# KiCad board AsicsBoard - 16xBM1366 - 01A.kicad_pcb (continued)
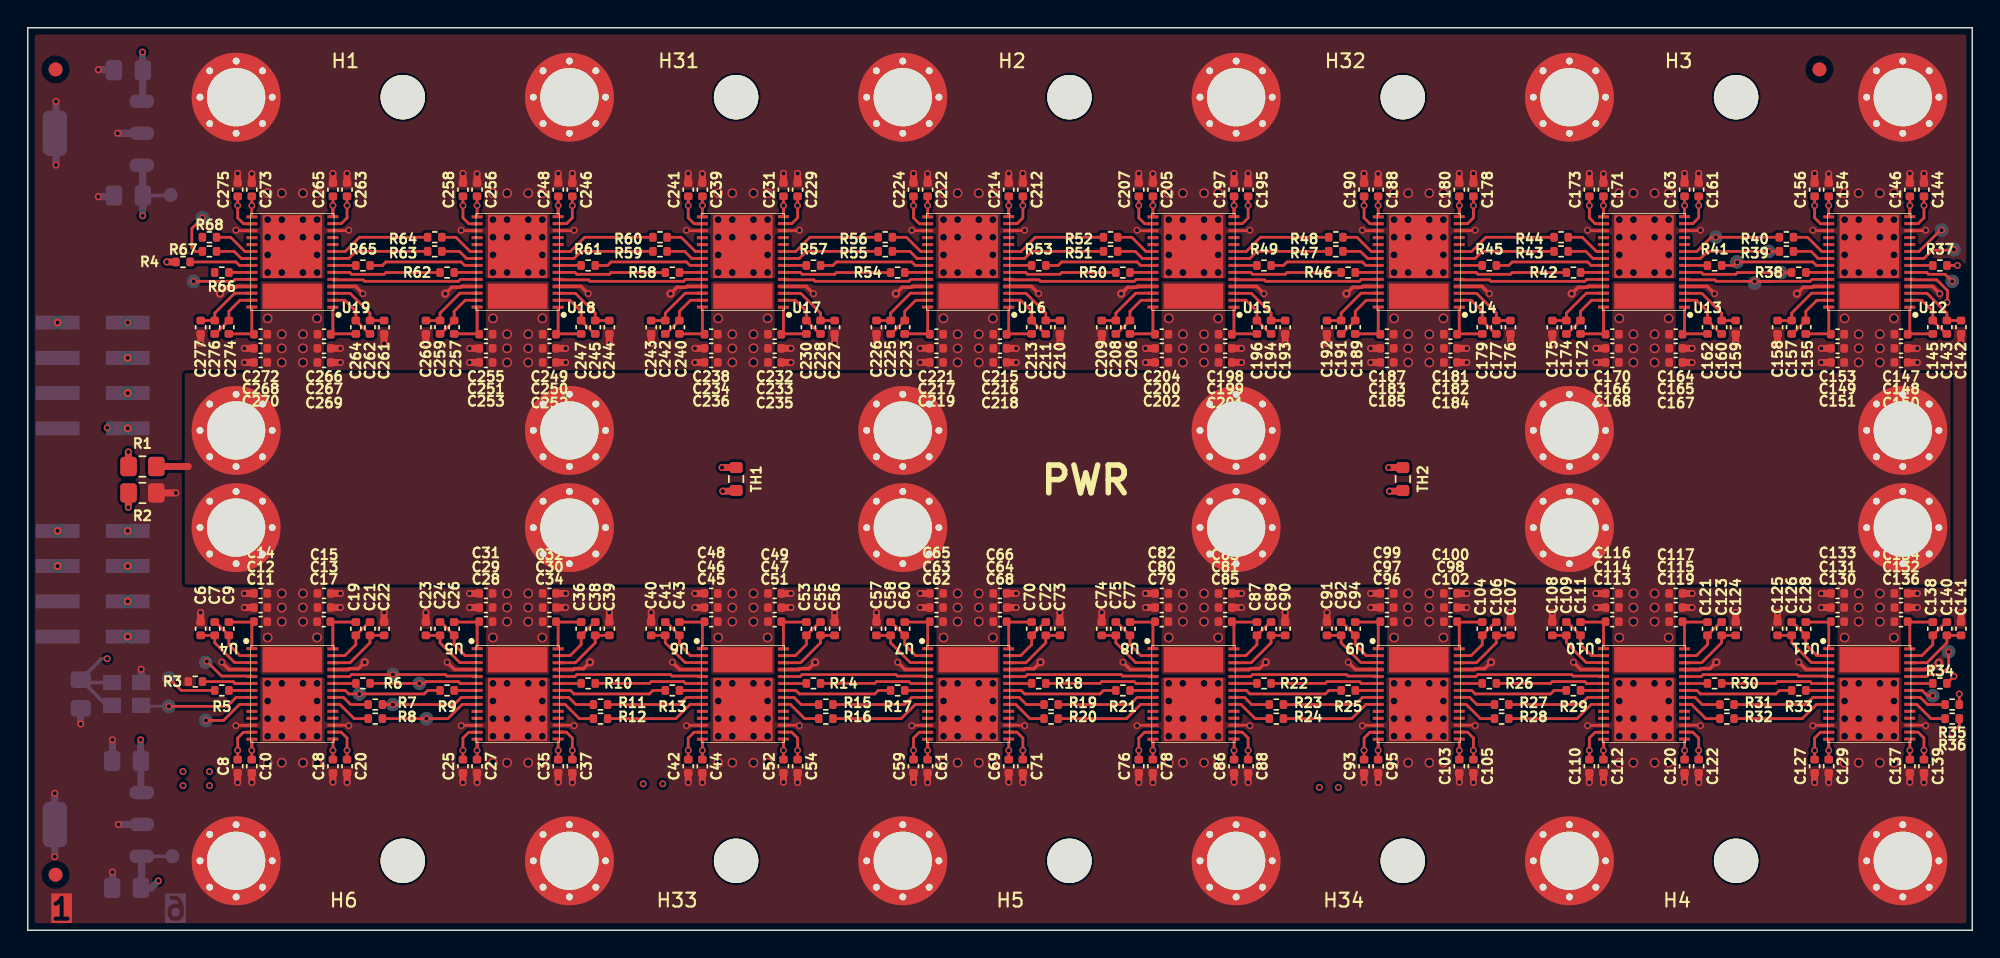
[diagram p0: board, top side]
## Routing (per net, layer and track width the routed paths; a pad name or vN(x,y) marks a point on that pad's centre or on a via; arc(x,y) is an arc through that point) (continued)
+1.2V: length 412.6
  Top w0.2: 135.51,13.76 v1(135.51,12.95) C137.1 ; 97.23,51.39 v1(97.23,52.2) C188.1 ; U18.14 38.19,52.19 v1(38.19,52.2) C248.1 ; 54.41,13.76 v1(54.41,12.95) C52.1 ; C222.1 v1(64.79,52.2) 64.79,51.39 ; 38.19,51.94 38.19,51.4 ; 21.97,51.94 21.97,51.4 ; C129.1 v1(129.67,12.95) 129.67,12.96 U11.14 ; 86.85,51.94 86.85,51.4 ; C120.1 v1(119.29,12.95) 119.29,13.76 ; 48.57,51.39 v1(48.57,52.2) C239.1 ; C44.1 v1(48.57,12.95) 48.57,12.96 U6.14 ; C86.1 v1(86.85,12.95) 86.85,13.76 ; C95.1 v1(97.23,12.95) 97.23,12.96 U9.14 ; U16.14 70.63,52.19 v1(70.63,52.2) C214.1 ; U5.14 32.35,12.96 v1(32.35,12.95) C27.1 ; 16.13,51.39 v1(16.13,52.2) C273.1 ; 103.07,51.94 103.07,51.4 ; 81.01,13.21 81.01,13.75 ; 32.35,51.39 v1(32.35,52.2) C256.1 ; C112.1 v1(113.45,12.95) 113.45,12.96 U10.14 ; 21.97,13.76 v1(21.97,12.95) C18.1 ; C35.1 v1(38.19,12.95) 38.19,13.76 ; U7.14 64.79,12.96 v1(64.79,12.95) C61.1 ; 64.79,13.21 64.79,13.75 ; 97.23,13.21 97.23,13.75 ; 16.13,12.29 v1(16.13,12.95) 16.13,12.96 U4.14 ; 119.29,51.94 119.29,51.4 ; 135.51,51.94 135.51,51.4 ; C146.1 v1(135.51,52.2) 135.5,52.19 U12.14 ; 48.57,13.21 48.57,13.75 ; 129.67,51.39 v1(129.67,52.2) C154.1 ; C197.1 v1(86.85,52.2) 86.84,52.19 U15.14 ; 70.63,51.94 70.63,51.4 ; C163.1 v1(119.29,52.2) 119.28,52.19 U13.14 ; 103.07,13.76 v1(103.07,12.95) C103.1 ; 113.45,13.21 113.45,13.75 ; C231.1 v1(54.41,52.2) 54.41,52.19 U17.14 ; C205.1 v1(81.01,52.2) 81.01,51.39 ; 16.13,13.21 16.13,13.75 ; 129.67,13.21 129.67,13.75 ; U14.14 103.06,52.19 v1(103.07,52.2) C180.1 ; 70.63,13.76 v1(70.63,12.95) C69.1 ; U8.14 81.01,12.96 v1(81.01,12.95) C78.1 ; C171.1 v1(113.45,52.2) 113.45,51.39 ; 54.41,51.94 54.41,51.4 ; C265.1 v1(21.97,52.2) 21.97,52.19 U19.14 ; 32.35,13.21 32.35,13.75
  Top w0.5: 10.67,48.13 v1(10,48.13)
  In1.Cu w0.25: v1(135.51,52.2) 135.51,49.82 136.58,48.75 136.58,43.25 138.87,40.96 138.87,24.7 137.09,22.92 137.09,20.51 136.07,19.49 136.07,15.6 135.51,15.04 v1(135.51,12.95)
  In1.Cu w0.5: v1(5.72,36.19) 5.76,36.15 v2(7.19,36.15)
  In2.Cu w0.25: v1(135.51,52.2) 135.22,51.9 129.96,51.9 v1(129.67,52.2) 129.09,51.62 119.86,51.62 v1(119.29,52.2) 119,51.9 113.74,51.9 v1(113.45,52.2) 112.87,51.62 103.64,51.62 v1(103.07,52.2) 102.73,51.86 97.57,51.86 v1(97.23,52.2) 96.47,51.44 87.61,51.44 v1(86.85,52.2) 86.56,51.9 81.3,51.9 v1(81.01,52.2) 80.43,51.62 71.21,51.62 v1(70.63,52.2) 70.34,51.9 65.08,51.9 v1(64.79,52.2) 64.21,51.62 54.99,51.62 v1(54.41,52.2) 54.12,51.9 48.86,51.9 v1(48.57,52.2) 47.99,51.62 38.77,51.62 v1(38.19,52.2) 37.92,51.93 32.62,51.93 v1(32.35,52.2) 31.77,51.62 22.55,51.62 v1(21.97,52.2) 21.68,51.9 16.42,51.9 v1(16.13,52.2) ; v1(16.13,12.95) 16.36,13.19 21.73,13.19 v1(21.97,12.95) 22.55,13.53 31.77,13.53 v1(32.35,12.95) 32.58,13.19 37.95,13.19 v1(38.19,12.95) 38.77,13.53 47.99,13.53 v1(48.57,12.95) 48.91,13.3 54.07,13.3 v1(54.41,12.95) 54.99,13.53 64.21,13.53 v1(64.79,12.95) 65.02,13.19 70.39,13.19 v1(70.63,12.95) 71.27,13.59 80.37,13.59 v1(81.01,12.95) 81.25,13.19 86.61,13.19 v1(86.85,12.95) 87.42,13.53 96.65,13.53 v1(97.23,12.95) 97.46,13.19 102.83,13.19 v1(103.07,12.95) 103.64,13.53 112.87,13.53 v1(113.45,12.95) 113.68,13.19 119.05,13.19 v1(119.29,12.95) 119.86,13.53 129.09,13.53 v1(129.67,12.95) 129.9,13.19 135.27,13.19 v1(135.51,12.95)
  In2.Cu w0.5: v1(10,48.13) 10,49.73 v1(8.28,51.46) 5.72,48.89 v1(5.72,36.19) 5.72,18.54 10.6,13.65 15.43,13.65 v1(16.13,12.95)
  Bottom w0.25: 5.67,16.19 C5.1 5.31,19.56 v1(5.72,19.56) ; C4.1 10.24,52.92 ; U3.1 4.02,17.84
  Bottom w0.5: v1(8.28,51.46) C4.1 8.28,55.03
+5V_STDBY: length 61.7
  In2.Cu w0.5: v1(8.25,63.25) 4.57,59.56 4.57,55.73 2.14,53.3 v2(2.14,43.77) 4.06,41.85 4.06,17.78 v1(8.13,13.72)
  Bottom w0.5: v1(8.13,13.72) 8.13,12.21 ; C1.1 8.15,9.98 ; v1(8.25,63.25) 8.25,61.95 ; C2.1 8.28,59.78
/ASICs/ASICs_BM1366_1/BM1366-0/VDD1_0: length 3.6
  Top w0.2: U4.1 16.13,22.08 ; C9.2 16.26,22.2
/ASICs/ASICs_BM1366_1/BM1366-0/VDD1_1: length 3.6
  Top w0.2: C19.1 21.84,22.2 ; U4.28 21.97,22.08
/ASICs/ASICs_BM1366_1/BM1366-0/VDD2_0: length 4
  Top w0.2: 13.52,22.2 C9.1 14.48,20.57 15.27,19.78 U4.2
/ASICs/ASICs_BM1366_1/BM1366-0/VDD2_1: length 4
  Top w0.2: 24.58,22.2 C19.2 23.62,20.57 22.83,19.78 U4.27
/ASICs/ASICs_BM1366_1/BM1366-0/VDD3_0: length 4.8
  Top w0.2: U4.3 14.89,19.28 13.46,20.7 C7.1 C6.2
/ASICs/ASICs_BM1366_1/BM1366-0/VDD3_1: length 4.8
  Top w0.2: U4.26 23.2,19.27 24.64,20.7 C21.2 C22.1
/ASICs/ASICs_BM1366_1/BM1366-1/VDD1_0: length 3.6
  Top w0.2: C26.2 32.48,22.2 ; U5.1 32.35,22.08
/ASICs/ASICs_BM1366_1/BM1366-1/VDD1_1: length 3.6
  Top w0.2: C36.1 38.06,22.2 ; U5.28 38.19,22.08
/ASICs/ASICs_BM1366_1/BM1366-1/VDD2_0: length 4
  Top w0.2: 29.74,22.2 C26.1 30.7,20.57 31.49,19.78 U5.2
/ASICs/ASICs_BM1366_1/BM1366-1/VDD2_1: length 4
  Top w0.2: 40.8,22.2 C36.2 39.84,20.57 39.05,19.78 U5.27
/ASICs/ASICs_BM1366_1/BM1366-1/VDD3_0: length 4.8
  Top w0.2: U5.3 31.11,19.28 29.68,20.7 C24.1 C23.2
/ASICs/ASICs_BM1366_1/BM1366-1/VDD3_1: length 4.8
  Top w0.2: U5.26 39.42,19.27 40.86,20.7 C38.2 C39.1
/ASICs/ASICs_BM1366_1/BM1366-2/VDD1_0: length 3.6
  Top w0.2: C43.2 48.7,22.2 ; U6.1 48.57,22.08
/ASICs/ASICs_BM1366_1/BM1366-2/VDD1_1: length 3.6
  Top w0.2: U6.28 54.41,22.08 ; C53.1 54.28,22.2
/ASICs/ASICs_BM1366_1/BM1366-2/VDD2_0: length 4
  Top w0.2: 45.96,22.2 C43.1 46.92,20.57 47.71,19.78 U6.2
/ASICs/ASICs_BM1366_1/BM1366-2/VDD2_1: length 4
  Top w0.2: 57.02,22.2 C53.2 56.06,20.57 55.27,19.78 U6.27
/ASICs/ASICs_BM1366_1/BM1366-2/VDD3_0: length 4.8
  Top w0.2: U6.3 47.33,19.28 45.9,20.7 C41.1 C40.2
/ASICs/ASICs_BM1366_1/BM1366-2/VDD3_1: length 4.8
  Top w0.2: U6.26 55.64,19.27 57.08,20.7 C55.2 C56.1
/ASICs/ASICs_BM1366_1/BM1366-3/VDD1_0: length 3.6
  Top w0.2: C60.2 64.92,22.2 ; U7.1 64.79,22.08
/ASICs/ASICs_BM1366_1/BM1366-3/VDD1_1: length 3.6
  Top w0.2: U7.28 70.63,22.08 ; C70.1 70.5,22.2
/ASICs/ASICs_BM1366_1/BM1366-3/VDD2_0: length 4
  Top w0.2: U7.2 63.93,19.78 63.14,20.57 C60.1 62.18,22.2
/ASICs/ASICs_BM1366_1/BM1366-3/VDD2_1: length 4
  Top w0.2: 73.24,22.2 C70.2 72.28,20.57 71.49,19.78 U7.27
/ASICs/ASICs_BM1366_1/BM1366-3/VDD3_0: length 4.8
  Top w0.2: U7.3 63.55,19.28 62.12,20.7 C58.1 C57.2
/ASICs/ASICs_BM1366_1/BM1366-3/VDD3_1: length 4.8
  Top w0.2: U7.26 71.86,19.27 73.3,20.7 C72.2 C73.1
/ASICs/ASICs_BM1366_1/BM1366-4/VDD1_0: length 3.6
  Top w0.2: U8.1 81.01,22.08 ; C77.2 81.13,22.2
/ASICs/ASICs_BM1366_1/BM1366-4/VDD1_1: length 3.6
  Top w0.2: U8.28 86.84,22.08 ; C87.1 86.72,22.2
/ASICs/ASICs_BM1366_1/BM1366-4/VDD2_0: length 4
  Top w0.2: U8.2 80.15,19.78 79.36,20.57 C77.1 78.4,22.2
/ASICs/ASICs_BM1366_1/BM1366-4/VDD2_1: length 4
  Top w0.2: U8.27 87.71,19.78 88.5,20.57 C87.2 89.46,22.2
/ASICs/ASICs_BM1366_1/BM1366-4/VDD3_0: length 4.8
  Top w0.2: U8.3 79.76,19.28 78.34,20.7 C75.1 C74.2
/ASICs/ASICs_BM1366_1/BM1366-4/VDD3_1: length 4.8
  Top w0.2: C90.1 C89.2 89.52,20.7 88.08,19.27 U8.26
/ASICs/ASICs_BM1366_1/BM1366-5/VDD1_0: length 3.6
  Top w0.2: C94.2 97.35,22.2 ; U9.1 97.23,22.08
/ASICs/ASICs_BM1366_1/BM1366-5/VDD1_1: length 3.6
  Top w0.2: U9.28 103.06,22.08 ; C104.1 102.94,22.2
/ASICs/ASICs_BM1366_1/BM1366-5/VDD2_0: length 4
  Top w0.2: U9.2 96.37,19.78 95.58,20.57 C94.1 94.62,22.2
/ASICs/ASICs_BM1366_1/BM1366-5/VDD2_1: length 4
  Top w0.2: U9.27 103.93,19.78 104.72,20.57 C104.2 105.68,22.2
/ASICs/ASICs_BM1366_1/BM1366-5/VDD3_0: length 4.8
  Top w0.2: U9.3 95.98,19.28 94.56,20.7 C92.1 C91.2
/ASICs/ASICs_BM1366_1/BM1366-5/VDD3_1: length 4.8
  Top w0.2: U9.26 104.3,19.27 105.74,20.7 C106.2 C107.1
/ASICs/ASICs_BM1366_1/BM1366-6/VDD1_0: length 3.6
  Top w0.2: C111.2 113.57,22.2 ; U10.1 113.45,22.08
/ASICs/ASICs_BM1366_1/BM1366-6/VDD1_1: length 3.6
  Top w0.2: C121.1 119.16,22.2 ; U10.28 119.28,22.08
/ASICs/ASICs_BM1366_1/BM1366-6/VDD2_0: length 4
  Top w0.2: U10.2 112.59,19.78 111.8,20.57 C111.1 110.84,22.2
/ASICs/ASICs_BM1366_1/BM1366-6/VDD2_1: length 4
  Top w0.2: U10.27 120.15,19.78 120.94,20.57 C121.2 121.9,22.2
/ASICs/ASICs_BM1366_1/BM1366-6/VDD3_0: length 4.8
  Top w0.2: C108.2 C109.1 110.78,20.7 112.2,19.28 U10.3
/ASICs/ASICs_BM1366_1/BM1366-6/VDD3_1: length 4.8
  Top w0.2: C124.1 C123.2 121.96,20.7 120.52,19.27 U10.26
/ASICs/ASICs_BM1366_1/BM1366-7/VDD1_0: length 3.6
  Top w0.2: U11.1 129.67,22.08 ; C128.2 129.79,22.2
/ASICs/ASICs_BM1366_1/BM1366-7/VDD1_1: length 3.6
  Top w0.2: U11.28 135.5,22.08 ; C138.1 135.38,22.2
/ASICs/ASICs_BM1366_1/BM1366-7/VDD2_0: length 4
  Top w0.2: 127.06,22.2 C128.1 128.02,20.57 128.81,19.78 U11.2
/ASICs/ASICs_BM1366_1/BM1366-7/VDD2_1: length 4
  Top w0.2: 138.12,22.2 C138.2 137.16,20.57 136.37,19.78 U11.27
/ASICs/ASICs_BM1366_1/BM1366-7/VDD3_0: length 4.8
  Top w0.2: U11.3 128.42,19.28 127,20.7 C126.1 C125.2
/ASICs/ASICs_BM1366_1/BM1366-7/VDD3_1: length 4.8
  Top w0.2: U11.26 136.74,19.27 138.18,20.7 C140.2 C141.1
/ASICs/ASICs_BM1366_2/BM1366-0/VDD1_0: length 3.6
  Top w0.2: C145.2 135.38,42.95 ; U12.1 135.5,43.08
/ASICs/ASICs_BM1366_2/BM1366-0/VDD1_1: length 3.6
  Top w0.2: C155.1 129.79,42.95 ; U12.28 129.67,43.08
/ASICs/ASICs_BM1366_2/BM1366-0/VDD2_0: length 4
  Top w0.2: 138.12,42.95 C145.1 137.16,44.58 136.37,45.37 U12.2
/ASICs/ASICs_BM1366_2/BM1366-0/VDD2_1: length 4
  Top w0.2: 127.06,42.95 C155.2 128.02,44.58 128.81,45.37 U12.27
/ASICs/ASICs_BM1366_2/BM1366-0/VDD3_0: length 4.8
  Top w0.2: U12.3 136.75,45.87 138.18,44.45 C143.1 C142.2
/ASICs/ASICs_BM1366_2/BM1366-0/VDD3_1: length 4.8
  Top w0.2: U12.26 128.43,45.88 127,44.45 C157.2 C158.1
/ASICs/ASICs_BM1366_2/BM1366-1/VDD1_0: length 3.6
  Top w0.2: U13.1 119.28,43.08 ; C162.2 119.16,42.95
/ASICs/ASICs_BM1366_2/BM1366-1/VDD1_1: length 3.6
  Top w0.2: U13.28 113.45,43.08 ; C172.1 113.57,42.95
/ASICs/ASICs_BM1366_2/BM1366-1/VDD2_0: length 4
  Top w0.2: 121.9,42.95 C162.1 120.94,44.58 120.15,45.37 U13.2
/ASICs/ASICs_BM1366_2/BM1366-1/VDD2_1: length 4
  Top w0.2: U13.27 112.59,45.37 111.8,44.58 C172.2 110.84,42.95
/ASICs/ASICs_BM1366_2/BM1366-1/VDD3_0: length 4.8
  Top w0.2: U13.3 120.53,45.87 121.96,44.45 C160.1 C159.2
/ASICs/ASICs_BM1366_2/BM1366-1/VDD3_1: length 4.8
  Top w0.2: C175.1 C174.2 110.78,44.45 112.21,45.88 U13.26
/ASICs/ASICs_BM1366_2/BM1366-2/VDD1_0: length 3.6
  Top w0.2: U14.1 103.06,43.08 ; C179.2 102.94,42.95
/ASICs/ASICs_BM1366_2/BM1366-2/VDD1_1: length 3.6
  Top w0.2: U14.28 97.23,43.08 ; C189.1 97.35,42.95
/ASICs/ASICs_BM1366_2/BM1366-2/VDD2_0: length 4
  Top w0.2: U14.2 103.93,45.37 104.72,44.58 C179.1 105.68,42.95
/ASICs/ASICs_BM1366_2/BM1366-2/VDD2_1: length 4
  Top w0.2: U14.27 96.37,45.37 95.58,44.58 C189.2 94.62,42.95
/ASICs/ASICs_BM1366_2/BM1366-2/VDD3_0: length 4.8
  Top w0.2: U14.3 104.31,45.87 105.74,44.45 C177.1 C176.2
/ASICs/ASICs_BM1366_2/BM1366-2/VDD3_1: length 4.8
  Top w0.2: U14.26 95.99,45.88 94.56,44.45 C191.2 C192.1
/ASICs/ASICs_BM1366_2/BM1366-3/VDD1_0: length 3.6
  Top w0.2: C196.2 86.72,42.95 ; U15.1 86.84,43.08
/ASICs/ASICs_BM1366_2/BM1366-3/VDD1_1: length 3.6
  Top w0.2: C206.1 81.13,42.95 ; U15.28 81.01,43.08
/ASICs/ASICs_BM1366_2/BM1366-3/VDD2_0: length 4
  Top w0.2: 89.46,42.95 C196.1 88.5,44.58 87.71,45.37 U15.2
/ASICs/ASICs_BM1366_2/BM1366-3/VDD2_1: length 4
  Top w0.2: U15.27 80.15,45.37 79.36,44.58 C206.2 78.4,42.95
/ASICs/ASICs_BM1366_2/BM1366-3/VDD3_0: length 4.8
  Top w0.2: C193.2 C194.1 89.52,44.45 88.09,45.87 U15.3
/ASICs/ASICs_BM1366_2/BM1366-3/VDD3_1: length 4.8
  Top w0.2: U15.26 79.77,45.88 78.34,44.45 C208.2 C209.1
/ASICs/ASICs_BM1366_2/BM1366-4/VDD1_0: length 3.6
  Top w0.2: C213.2 70.5,42.95 ; U16.1 70.63,43.08
/ASICs/ASICs_BM1366_2/BM1366-4/VDD1_1: length 3.6
  Top w0.2: C223.1 64.92,42.95 ; U16.28 64.79,43.08
/ASICs/ASICs_BM1366_2/BM1366-4/VDD2_0: length 4
  Top w0.2: 73.24,42.95 C213.1 72.28,44.58 71.49,45.37 U16.2
/ASICs/ASICs_BM1366_2/BM1366-4/VDD2_1: length 4
  Top w0.2: U16.27 63.93,45.37 63.14,44.58 C223.2 62.18,42.95
/ASICs/ASICs_BM1366_2/BM1366-4/VDD3_0: length 4.8
  Top w0.2: C210.2 C211.1 73.3,44.45 71.87,45.87 U16.3
/ASICs/ASICs_BM1366_2/BM1366-4/VDD3_1: length 4.8
  Top w0.2: U16.26 63.55,45.88 62.12,44.45 C225.2 C226.1
/ASICs/ASICs_BM1366_2/BM1366-5/VDD1_0: length 3.6
  Top w0.2: C230.2 54.28,42.95 ; U17.1 54.41,43.08
/ASICs/ASICs_BM1366_2/BM1366-5/VDD1_1: length 3.6
  Top w0.2: U17.28 48.57,43.08 ; C240.1 48.7,42.95
/ASICs/ASICs_BM1366_2/BM1366-5/VDD2_0: length 4
  Top w0.2: U17.2 55.27,45.37 56.06,44.58 C230.1 57.02,42.95
/ASICs/ASICs_BM1366_2/BM1366-5/VDD2_1: length 4
  Top w0.2: U17.27 47.71,45.37 46.92,44.58 C240.2 45.96,42.95
/ASICs/ASICs_BM1366_2/BM1366-5/VDD3_0: length 4.8
  Top w0.2: C227.2 C228.1 57.08,44.45 55.65,45.87 U17.3
/ASICs/ASICs_BM1366_2/BM1366-5/VDD3_1: length 4.8
  Top w0.2: C243.1 C242.2 45.9,44.45 47.33,45.88 U17.26
/ASICs/ASICs_BM1366_2/BM1366-6/VDD1_0: length 3.6
  Top w0.2: C247.2 38.06,42.95 ; U18.1 38.19,43.08
/ASICs/ASICs_BM1366_2/BM1366-6/VDD1_1: length 3.6
  Top w0.2: U18.28 32.35,43.08 ; C257.1 32.48,42.95
/ASICs/ASICs_BM1366_2/BM1366-6/VDD2_0: length 4
  Top w0.2: U18.2 39.05,45.37 39.84,44.58 C247.1 40.8,42.95
/ASICs/ASICs_BM1366_2/BM1366-6/VDD2_1: length 4
  Top w0.2: U18.27 31.49,45.37 30.7,44.58 C257.2 29.74,42.95
/ASICs/ASICs_BM1366_2/BM1366-6/VDD3_0: length 4.8
  Top w0.2: U18.3 39.43,45.87 40.86,44.45 C245.1 C244.2
/ASICs/ASICs_BM1366_2/BM1366-6/VDD3_1: length 4.8
  Top w0.2: C260.1 C259.2 29.68,44.45 31.11,45.88 U18.26
/ASICs/ASICs_BM1366_2/BM1366-7/VDD1_0: length 3.6
  Top w0.2: C264.2 21.84,42.95 ; U19.1 21.97,43.08
/ASICs/ASICs_BM1366_2/BM1366-7/VDD1_1: length 3.6
  Top w0.2: U19.28 16.13,43.08 ; C274.1 16.26,42.95
/ASICs/ASICs_BM1366_2/BM1366-7/VDD2_0: length 4
  Top w0.2: U19.2 22.83,45.37 23.62,44.58 C264.1 24.58,42.95
/ASICs/ASICs_BM1366_2/BM1366-7/VDD2_1: length 4
  Top w0.2: U19.27 15.27,45.37 14.48,44.58 C274.2 13.52,42.95
/ASICs/ASICs_BM1366_2/BM1366-7/VDD3_0: length 4.8
  Top w0.2: U19.3 23.21,45.87 24.64,44.45 C262.1 C261.2
/ASICs/ASICs_BM1366_2/BM1366-7/VDD3_1: length 4.8
  Top w0.2: U19.26 14.89,45.88 13.46,44.45 C276.2 C277.1
GND: length 241.7
  Top w0.2: U16.12 71.75,50.39 v1(71.77,50.42) ; U14.12 104.19,50.39 v1(104.21,50.42) ; v1(63.65,14.73) 63.67,14.76 U7.12 ; U11.12 128.55,14.76 v1(128.52,14.73) ; v1(136.65,50.42) 136.62,50.39 U12.12 ; v1(87.99,14.73) 87.96,14.77 U8.17 ; U8.12 79.89,14.76 v1(79.86,14.73) ; v1(96.08,14.73) 96.11,14.76 U9.12 ; U19.17 15.02,50.38 v1(14.99,50.42) ; U15.17 79.9,50.38 v1(79.86,50.42) ; v1(39.33,50.42) 39.31,50.39 U18.12 ; v1(47.43,50.42) 47.46,50.38 U17.17 ; U6.17 55.52,14.77 v1(55.55,14.73) ; U16.17 63.68,50.38 v1(63.65,50.42) ; U4.12 15.01,14.76 v1(14.99,14.73) ; U5.12 31.23,14.76 v1(31.21,14.73) ; U4.17 23.08,14.77 v1(23.11,14.73) ; U13.17 112.34,50.38 v1(112.3,50.42) ; v1(128.52,50.42) 128.56,50.38 U12.17 ; U14.17 96.12,50.38 v1(96.08,50.42) ; U13.12 120.41,50.39 v1(120.43,50.42) ; v1(47.43,14.73) 47.45,14.76 U6.12 ; U7.17 71.74,14.77 v1(71.77,14.73) ; v1(39.33,14.73) 39.3,14.77 U5.17 ; U17.12 55.53,50.39 v1(55.55,50.42) ; U10.17 120.4,14.77 v1(120.43,14.73) ; v1(112.3,14.73) 112.33,14.76 U10.12 ; U9.17 104.18,14.77 v1(104.21,14.73) ; v1(136.65,14.73) 136.62,14.77 U11.17 ; U19.12 23.09,50.39 v1(23.11,50.42) ; U18.17 31.24,50.38 v1(31.21,50.42) ; v1(87.99,50.42) 87.97,50.39 U15.12
  Top w0.25: v2(121.58,19.3) 121.11,18.84 120.46,18.84 120.39,18.78 U10.25 ; v2(30.06,45.85) 30.53,46.31 31.18,46.31 31.24,46.38 U18.25 ; v1(111.29,19.3) 111.82,18.78 U10.4 ; U19.4 23.6,46.38 v1(24.13,45.85) ; U9.25 104.17,18.78 104.24,18.84 104.89,18.84 v2(105.36,19.3) ; U14.4 104.7,46.38 v1(105.23,45.85) ; U5.4 30.72,18.78 v1(30.19,19.3) ; U11.4 128.04,18.78 v1(127.51,19.3) ; v1(56.57,45.85) 56.04,46.38 U17.4 ; v1(89.01,45.85) 88.48,46.38 U15.4 ; U12.4 137.14,46.38 v1(137.67,45.85) ; U18.4 39.82,46.38 v1(40.35,45.85) ; U8.25 87.95,18.78 88.02,18.84 88.67,18.84 v2(89.14,19.3) ; v2(78.72,45.85) 79.19,46.31 79.84,46.31 79.9,46.38 U15.25 ; v2(111.16,45.85) 111.63,46.31 112.28,46.31 112.34,46.38 U13.25 ; U8.4 79.38,18.78 v1(78.85,19.3) ; v2(62.5,45.85) 62.97,46.31 63.62,46.31 63.68,46.38 U16.25 ; v2(46.28,45.85) 46.75,46.31 47.4,46.31 47.46,46.38 U17.25 ; v2(13.84,45.85) 14.31,46.31 14.96,46.31 15.02,46.38 U19.25 ; v1(72.79,45.85) 72.26,46.38 U16.4 ; U13.4 120.92,46.38 v1(121.45,45.85) ; v1(13.97,19.3) 14.5,18.78 U4.4 ; v2(137.58,19.26) 137.16,18.84 136.68,18.84 136.61,18.78 U11.25 ; U4.25 23.08,18.78 23.14,18.84 23.79,18.84 v2(24.26,19.3) ; v2(72.92,19.3) 72.45,18.84 71.8,18.84 71.73,18.78 U7.25 ; U9.4 95.6,18.78 v1(95.07,19.3) ; U6.25 55.51,18.78 55.58,18.84 56.23,18.84 v2(56.7,19.3) ; U12.25 128.56,46.38 128.5,46.31 127.84,46.31 v2(127.38,45.85) ; U5.25 39.29,18.78 39.36,18.84 40.01,18.84 v2(40.48,19.3) ; v2(94.94,45.85) 95.41,46.31 96.06,46.31 96.12,46.38 U14.25 ; U6.4 46.94,18.78 v1(46.41,19.3) ; U7.4 63.16,18.78 v1(62.63,19.3)
  Top w0.5: 125.98,22.22 v1(125.98,22.89) ; 90.53,42.93 v1(90.53,42.26) ; 21.84,41.91 v1(22.51,41.91) ; 79.99,53.85 v1(79.99,54.51) ; 21.84,40.89 v1(22.51,40.89) ; 135.38,40.89 v1(136.04,40.89) ; 44.89,22.22 v1(44.89,22.89) ; 74.31,22.22 v1(74.31,22.89) ; 93.54,22.22 v1(93.54,22.89) ; C239.2 v1(48.57,54.48) ; 64.92,24.26 v1(64.25,24.26) ; 119.16,40.89 v1(119.83,40.89) ; 55.43,11.3 v1(55.43,10.64) ; 74.31,42.93 v1(74.31,42.26) ; 16.26,41.91 v1(15.59,41.91) ; 106.75,42.93 v1(106.75,42.26) ; C86.2 v1(86.85,10.67) ; 129.79,41.91 v1(129.13,41.91) ; 86.72,41.91 v1(87.39,41.91) ; 119.29,53.85 v1(119.29,54.51) ; 38.06,24.26 v1(38.73,24.26) ; 71.65,53.85 v1(71.65,54.51) ; 70.63,53.85 v1(70.63,54.51) ; 39.21,11.3 v1(39.21,10.64) ; 97.35,24.26 v1(96.69,24.26) ; 41.87,22.22 v1(41.87,22.89) ; 109.76,42.93 v1(109.76,42.26) ; 38.06,41.91 v1(38.73,41.91) ; 32.48,23.24 v1(31.81,23.24) ; 119.16,24.26 v1(119.83,24.26) ; 64.92,23.24 v1(64.25,23.24) ; 54.28,24.26 v1(54.95,24.26) ; 113.57,41.91 v1(112.91,41.91) ; 12.45,42.93 v1(12.45,42.26) ; 54.28,41.91 v1(54.95,41.91) ; 48.7,40.89 v1(48.03,40.89) ; 135.51,53.85 v1(135.51,54.51) ; 22.99,53.85 v1(22.99,54.51) ; C69.2 v1(70.63,10.67) ; 16.26,40.89 v1(15.59,40.89) ; R2.1 v1(10.67,31.5) ; 54.28,23.24 v1(54.95,23.24) ; 86.85,53.85 v1(86.85,54.51) ; 15.11,53.85 v1(15.11,54.51) ; C171.2 v1(113.45,54.48) ; 135.38,23.24 v1(136.04,23.24) ; 103.07,53.85 v1(103.07,54.51) ; 70.5,41.91 v1(71.17,41.91) ; 70.5,23.24 v1(71.17,23.24) ; 28.67,42.93 v1(28.67,42.26) ; 15.11,11.3 v1(15.11,10.64) ; 129.67,11.3 v1(129.67,10.64) ; 48.7,41.91 v1(48.03,41.91) ; 64.92,41.91 v1(64.25,41.91) ; C52.2 v1(54.41,10.67) ; C222.2 v1(64.79,54.48) ; 128.65,11.3 v1(128.65,10.64) ; 39.21,53.85 v1(39.21,54.51) ; 81.13,24.26 v1(80.47,24.26) ; 113.57,23.24 v1(112.91,23.24) ; 16.26,23.24 v1(15.59,23.24) ; 55.43,53.85 v1(55.43,54.51) ; 32.35,11.3 v1(32.35,10.64) ; C205.2 v1(81.01,54.48) ; 104.09,11.3 v1(104.09,10.64) ; 64.92,40.89 v1(64.25,40.89) ; 136.53,11.3 v1(136.53,10.64) ; 38.06,40.89 v1(38.73,40.89) ; 54.28,40.89 v1(54.95,40.89) ; C35.2 v1(38.19,10.67) ; 81.01,11.3 v1(81.01,10.64) ; 58.09,42.93 v1(58.09,42.26) ; 96.21,53.85 v1(96.21,54.51) ; 129.79,24.26 v1(129.13,24.26) ; 21.97,53.85 v1(21.97,54.51) ; 32.48,41.91 v1(31.81,41.91) ; C120.2 v1(119.29,10.67) ; 112.43,11.3 v1(112.43,10.64) ; 25.65,22.22 v1(25.65,22.89) ; 136.53,53.85 v1(136.53,54.51) ; 122.97,22.22 v1(122.97,22.89) ; 61.11,22.22 v1(61.11,22.89) ; C188.2 v1(97.23,54.48) ; 119.16,23.24 v1(119.83,23.24) ; 113.45,11.3 v1(113.45,10.64) ; 22.99,11.3 v1(22.99,10.64) ; 12.45,22.22 v1(12.45,22.89) ; 63.77,53.85 v1(63.77,54.51) ; 48.7,24.26 v1(48.03,24.26) ; C256.2 v1(32.35,54.48) ; 102.94,24.26 v1(103.61,24.26) ; 41.87,42.93 v1(41.87,42.26) ; 120.31,11.3 v1(120.31,10.64) ; 125.98,42.93 v1(125.98,42.26) ; C103.2 v1(103.07,10.67) ; 70.5,40.89 v1(71.17,40.89) ; 48.57,11.3 v1(48.57,10.64) ; 129.79,23.24 v1(129.13,23.24) ; 77.32,22.22 v1(77.32,22.89) ; 64.79,11.3 v1(64.79,10.64) ; 87.87,11.3 v1(87.87,10.64) ; 102.94,41.91 v1(103.61,41.91) ; 31.33,53.85 v1(31.33,54.51) ; 139.19,42.93 v1(139.19,42.26) ; C18.2 v1(21.97,10.67) ; 120.31,53.85 v1(120.31,54.51) ; 21.84,24.26 v1(22.51,24.26) ; 38.19,53.85 v1(38.19,54.51) ; 104.09,53.85 v1(104.09,54.51) ; 21.84,23.24 v1(22.51,23.24) ; 109.76,22.22 v1(109.76,22.89) ; 81.13,40.89 v1(80.47,40.89) ; 48.7,23.24 v1(48.03,23.24) ; 81.13,23.24 v1(80.47,23.24) ; 102.94,40.89 v1(103.61,40.89) ; 122.97,42.93 v1(122.97,42.26) ; 113.57,40.89 v1(112.91,40.89) ; 112.43,53.85 v1(112.43,54.51) ; 44.89,42.93 v1(44.89,42.26) ; 32.48,24.26 v1(31.81,24.26) ; 86.72,40.89 v1(87.39,40.89) ; 97.35,41.91 v1(96.69,41.91) ; C137.2 v1(135.51,10.67) ; 38.06,23.24 v1(38.73,23.24) ; 54.41,53.85 v1(54.41,54.51) ; 71.65,11.3 v1(71.65,10.64) ; 47.55,11.3 v1(47.55,10.64) ; 96.21,11.3 v1(96.21,10.64) ; 63.77,11.3 v1(63.77,10.64) ; 25.65,42.93 v1(25.65,42.26) ; 58.09,22.22 v1(58.09,22.89) ; 47.55,53.85 v1(47.55,54.51) ; 16.26,24.26 v1(15.59,24.26) ; 86.72,24.26 v1(87.39,24.26) ; 79.99,11.3 v1(79.99,10.64) ; 32.48,40.89 v1(31.81,40.89) ; 113.57,24.26 v1(112.91,24.26) ; 139.19,22.22 v1(139.19,22.89) ; 87.87,53.85 v1(87.87,54.51) ; 77.32,42.93 v1(77.32,42.26) ; 70.5,24.26 v1(71.17,24.26) ; 97.35,40.89 v1(96.69,40.89) ; 28.67,22.22 v1(28.67,22.89) ; 135.38,41.91 v1(136.04,41.91) ; C154.2 v1(129.67,54.48) ; 93.54,42.93 v1(93.54,42.26) ; 31.33,11.3 v1(31.33,10.64) ; 86.72,23.24 v1(87.39,23.24) ; 61.11,42.93 v1(61.11,42.26) ; 90.53,22.22 v1(90.53,22.89) ; 81.13,41.91 v1(80.47,41.91) ; 119.16,41.91 v1(119.83,41.91) ; 106.75,22.22 v1(106.75,22.89) ; 97.35,23.24 v1(96.69,23.24) ; 135.38,24.26 v1(136.04,24.26) ; 129.79,40.89 v1(129.13,40.89) ; 97.23,11.3 v1(97.23,10.64) ; 128.65,53.85 v1(128.65,54.51) ; 102.94,23.24 v1(103.61,23.24) ; C273.2 v1(16.13,54.48) ; 16.13,11.3 v1(16.13,10.64)
  Bottom w0.5: 1.94,7.5 v1(1.94,5.3) ; 3.81,16 v1(3.81,14.86) ; 2.03,57.33 v1(2.03,55.12) ; 8.25,7.62 v1(6.53,7.62) ; 2.03,57.48 v1(2.03,59.69) ; 6.1,12.57 v1(6.1,13.72) ; 6.22,61.98 v1(5.08,61.98) ; 6.1,3.05 v1(6.1,4.19) ; U1.2 v1(6.48,57.4) ; 1.94,7.66 v1(1.94,9.87) ; v1(8.17,18.8) 8.17,17.82 ; 6.22,52.83 v1(5.08,52.83)
  vias: v3(17.27,53.09) v3(17.27,51.18) v3(17.27,49.91) v3(17.27,48.64) v3(17.27,47.37) v3(17.27,17.78) v3(17.27,16.51) v3(17.27,15.24) v3(17.27,13.97) v3(17.27,12.06) v3(18.29,53.09) v3(18.29,51.18) v3(18.29,49.91) v3(18.29,47.37) v3(18.29,17.78) v3(18.29,15.24) v3(18.29,13.97) v3(18.29,12.06) v3(19.81,53.09) v3(19.81,51.18) v3(19.81,49.91) v3(19.81,47.37) v3(19.81,17.78) v3(19.81,15.24) v3(19.81,13.97) v3(19.81,12.06) v3(20.83,53.09) v3(20.83,51.18) v3(20.83,49.91) v3(20.83,48.64) v3(20.83,47.37) v3(20.83,17.78) v3(20.83,16.51) v3(20.83,15.24) v3(20.83,13.97) v3(20.83,12.06) v3(33.49,53.09) v3(33.49,51.18) v3(33.49,49.91) v3(33.49,48.64) v3(33.49,47.37) v3(33.49,17.78) v3(33.49,16.51) v3(33.49,15.24) v3(33.49,13.97) v3(33.49,12.06) v3(34.51,53.09) v3(34.51,51.18) v3(34.51,49.91) v3(34.51,47.37) v3(34.51,17.78) v3(34.51,15.24) v3(34.51,13.97) v3(34.51,12.06) v3(36.03,53.09) v3(36.03,51.18) v3(36.03,49.91) v3(36.03,47.37) v3(36.03,17.78) v3(36.03,15.24) v3(36.03,13.97) v3(36.03,12.06) v3(37.05,53.09) v3(37.05,51.18) v3(37.05,49.91) v3(37.05,48.64) v3(37.05,47.37) v3(37.05,17.78) v3(37.05,16.51) v3(37.05,15.24) v3(37.05,13.97) v3(37.05,12.06) v3(49.71,53.09) v3(49.71,51.18) v3(49.71,49.91) v3(49.71,48.64) v3(49.71,47.37) v3(49.71,17.78) v3(49.71,16.51) v3(49.71,15.24) v3(49.71,13.97) v3(49.71,12.06) v3(50.73,53.09) v3(50.73,51.18) v3(50.73,49.91) v3(50.73,47.37) v3(50.73,17.78) v3(50.73,15.24) v3(50.73,13.97) v3(50.73,12.06) v3(52.25,53.09) v3(52.25,51.18) v3(52.25,49.91) v3(52.25,47.37) v3(52.25,17.78) v3(52.25,15.24) v3(52.25,13.97) v3(52.25,12.06) v3(53.27,53.09) v3(53.27,51.18) v3(53.27,49.91) v3(53.27,48.64) v3(53.27,47.37) v3(53.27,17.78) v3(53.27,16.51) v3(53.27,15.24) v3(53.27,13.97) v3(53.27,12.06) v3(65.93,53.09) v3(65.93,51.18) v3(65.93,49.91) v3(65.93,48.64) v3(65.93,47.37) v3(65.93,17.78) v3(65.93,16.51) v3(65.93,15.24) v3(65.93,13.97) v3(65.93,12.06) v3(66.95,53.09) v3(66.95,51.18) v3(66.95,49.91) v3(66.95,47.37) v3(66.95,17.78) v3(66.95,15.24) v3(66.95,13.97) v3(66.95,12.06) v3(68.47,53.09) v3(68.47,51.18) v3(68.47,49.91) v3(68.47,47.37) v3(68.47,17.78) v3(68.47,15.24) v3(68.47,13.97) v3(68.47,12.06) v3(69.49,53.09) v3(69.49,51.18) v3(69.49,49.91) v3(69.49,48.64) v3(69.49,47.37) v3(69.49,17.78) v3(69.49,16.51) v3(69.49,15.24) v3(69.49,13.97) v3(69.49,12.06) v3(82.15,53.09) v3(82.15,51.18) v3(82.15,49.91) v3(82.15,48.64) v3(82.15,47.37) v3(82.15,17.78) v3(82.15,16.51) v3(82.15,15.24) v3(82.15,13.97) v3(82.15,12.06) v3(83.17,53.09) v3(83.17,51.18) v3(83.17,49.91) v3(83.17,47.37) v3(83.17,17.78) v3(83.17,15.24) v3(83.17,13.97) v3(83.17,12.06) v3(84.69,53.09) v3(84.69,51.18) v3(84.69,49.91) v3(84.69,47.37) v3(84.69,17.78) v3(84.69,15.24) v3(84.69,13.97) v3(84.69,12.06) v3(85.71,53.09) v3(85.71,51.18) v3(85.71,49.91) v3(85.71,48.64) v3(85.71,47.37) v3(85.71,17.78) v3(85.71,16.51) v3(85.71,15.24) v3(85.71,13.97) v3(85.71,12.06) v3(98.37,53.09) v3(98.37,51.18) v3(98.37,49.91) v3(98.37,48.64) v3(98.37,47.37) v3(98.37,17.78) v3(98.37,16.51) v3(98.37,15.24) v3(98.37,13.97) v3(98.37,12.06) v3(99.39,53.09) v3(99.39,51.18) v3(99.39,49.91) v3(99.39,47.37) v3(99.39,17.78) v3(99.39,15.24) v3(99.39,13.97) v3(99.39,12.06) v3(100.91,53.09) v3(100.91,51.18) v3(100.91,49.91) v3(100.91,47.37) v3(100.91,17.78) v3(100.91,15.24) v3(100.91,13.97) v3(100.91,12.06) v3(101.93,53.09) v3(101.93,51.18) v3(101.93,49.91) v3(101.93,48.64) v3(101.93,47.37) v3(101.93,17.78) v3(101.93,16.51) v3(101.93,15.24) v3(101.93,13.97) v3(101.93,12.06) v3(114.59,53.09) v3(114.59,51.18) v3(114.59,49.91) v3(114.59,48.64) v3(114.59,47.37) v3(114.59,17.78) v3(114.59,16.51) v3(114.59,15.24) v3(114.59,13.97) v3(114.59,12.06) v3(115.61,53.09) v3(115.61,51.18) v3(115.61,49.91) v3(115.61,47.37) v3(115.61,17.78) v3(115.61,15.24) v3(115.61,13.97) v3(115.61,12.06) v3(117.13,53.09) v3(117.13,51.18) v3(117.13,49.91) v3(117.13,47.37) v3(117.13,17.78) v3(117.13,15.24) v3(117.13,13.97) v3(117.13,12.06) v3(118.15,53.09) v3(118.15,51.18) v3(118.15,49.91) v3(118.15,48.64) v3(118.15,47.37) v3(118.15,17.78) v3(118.15,16.51) v3(118.15,15.24) v3(118.15,13.97) v3(118.15,12.06) v3(130.81,53.09) v3(130.81,51.18) v3(130.81,49.91) v3(130.81,48.64) v3(130.81,47.37) v3(130.81,17.78) v3(130.81,16.51) v3(130.81,15.24) v3(130.81,13.97) v3(130.81,12.06) v3(131.83,53.09) v3(131.83,51.18) v3(131.83,49.91) v3(131.83,47.37) v3(131.83,17.78) v3(131.83,15.24) v3(131.83,13.97) v3(131.83,12.06) v3(133.35,53.09) v3(133.35,51.18) v3(133.35,49.91) v3(133.35,47.37) v3(133.35,17.78) v3(133.35,15.24) v3(133.35,13.97) v3(133.35,12.06) v3(134.37,53.09) v3(134.37,51.18) v3(134.37,49.91) v3(134.37,48.64) v3(134.37,47.37) v3(134.37,17.78) v3(134.37,16.51) v3(134.37,15.24) v3(134.37,13.97) v3(134.37,12.06)